# Altium PCB PCBA-2075-01.PcbDoc (part 1 of 2)
Units mil, origin at the board's own origin, x right, y up, seen from the top; angles counter-clockwise.
Board outline 4700 x 3550 mil, 4 copper layers (L1, L2, L3, L4), stack 65.3 mil thick; 112 components, 140 nets, 733 pads, 400 vias.
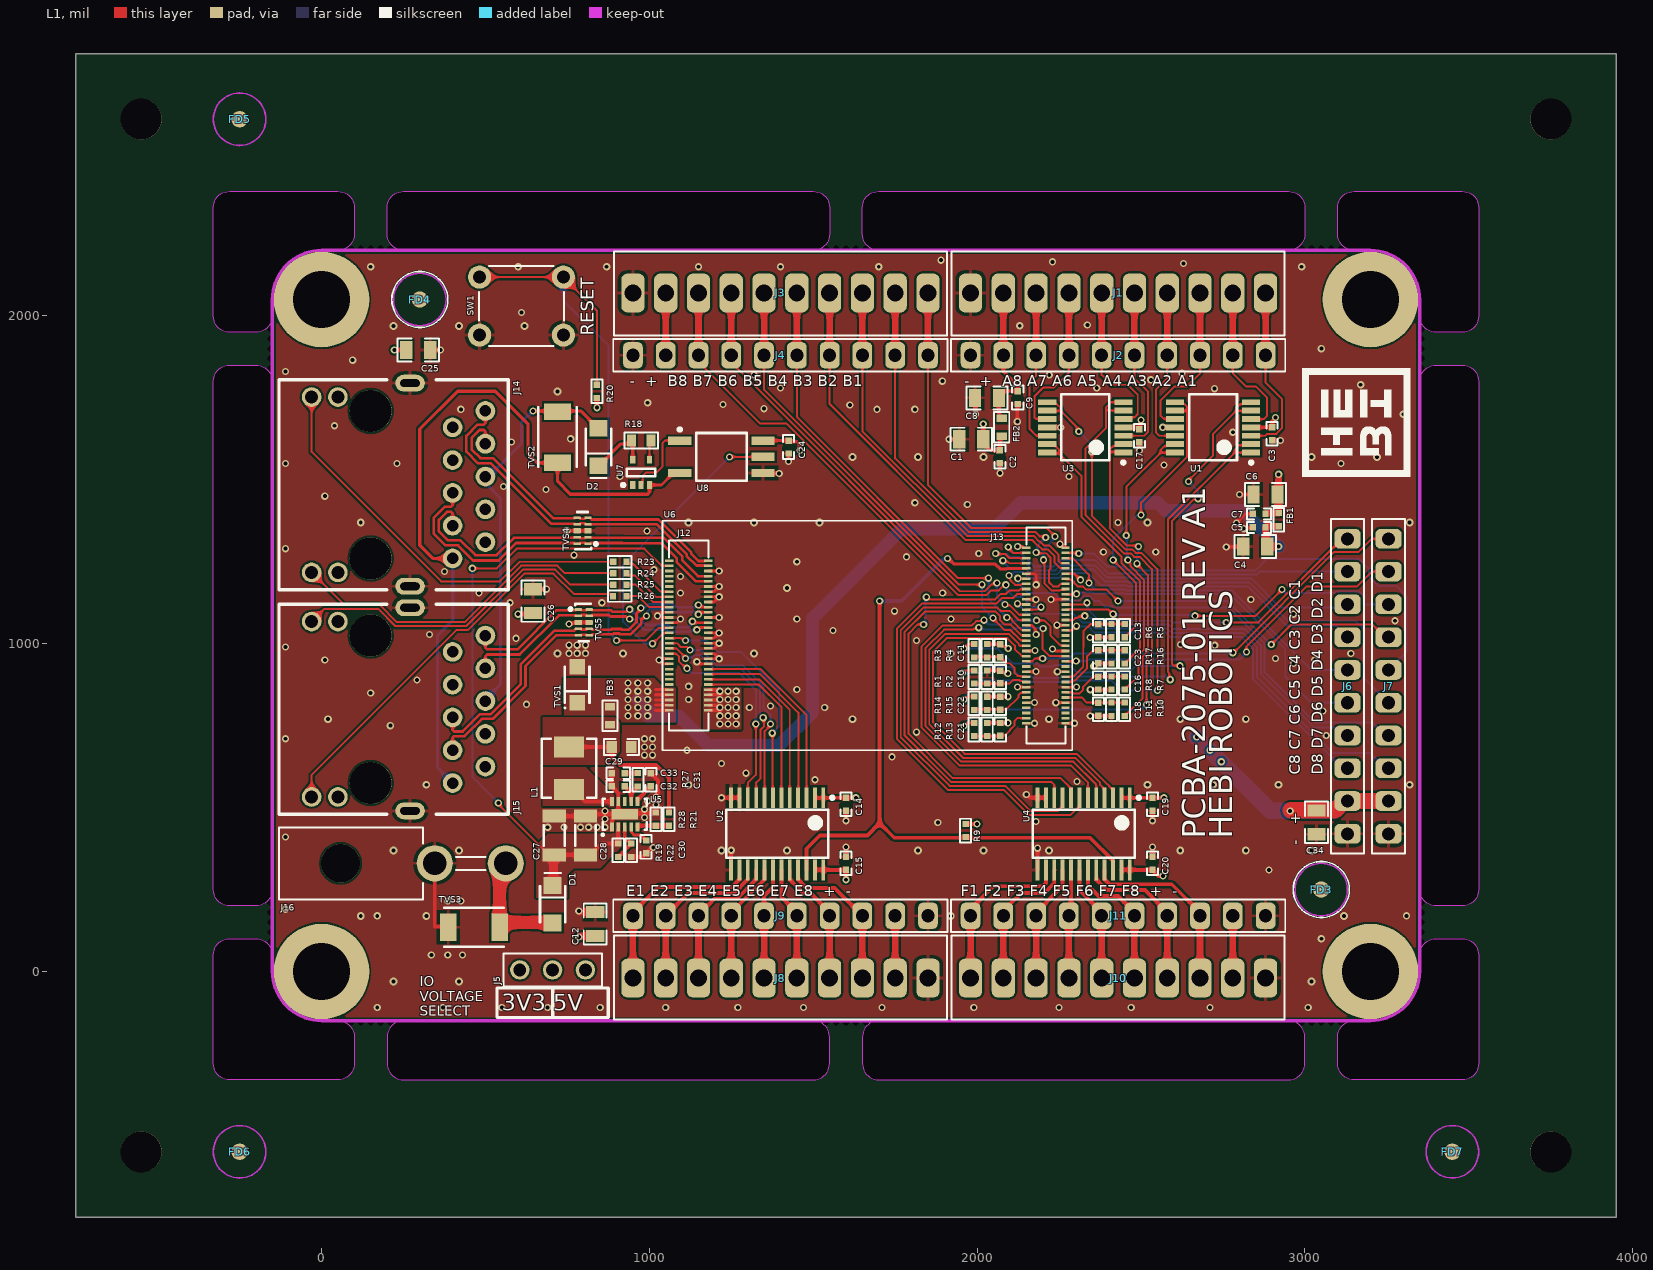
[diagram p0: L1 view]
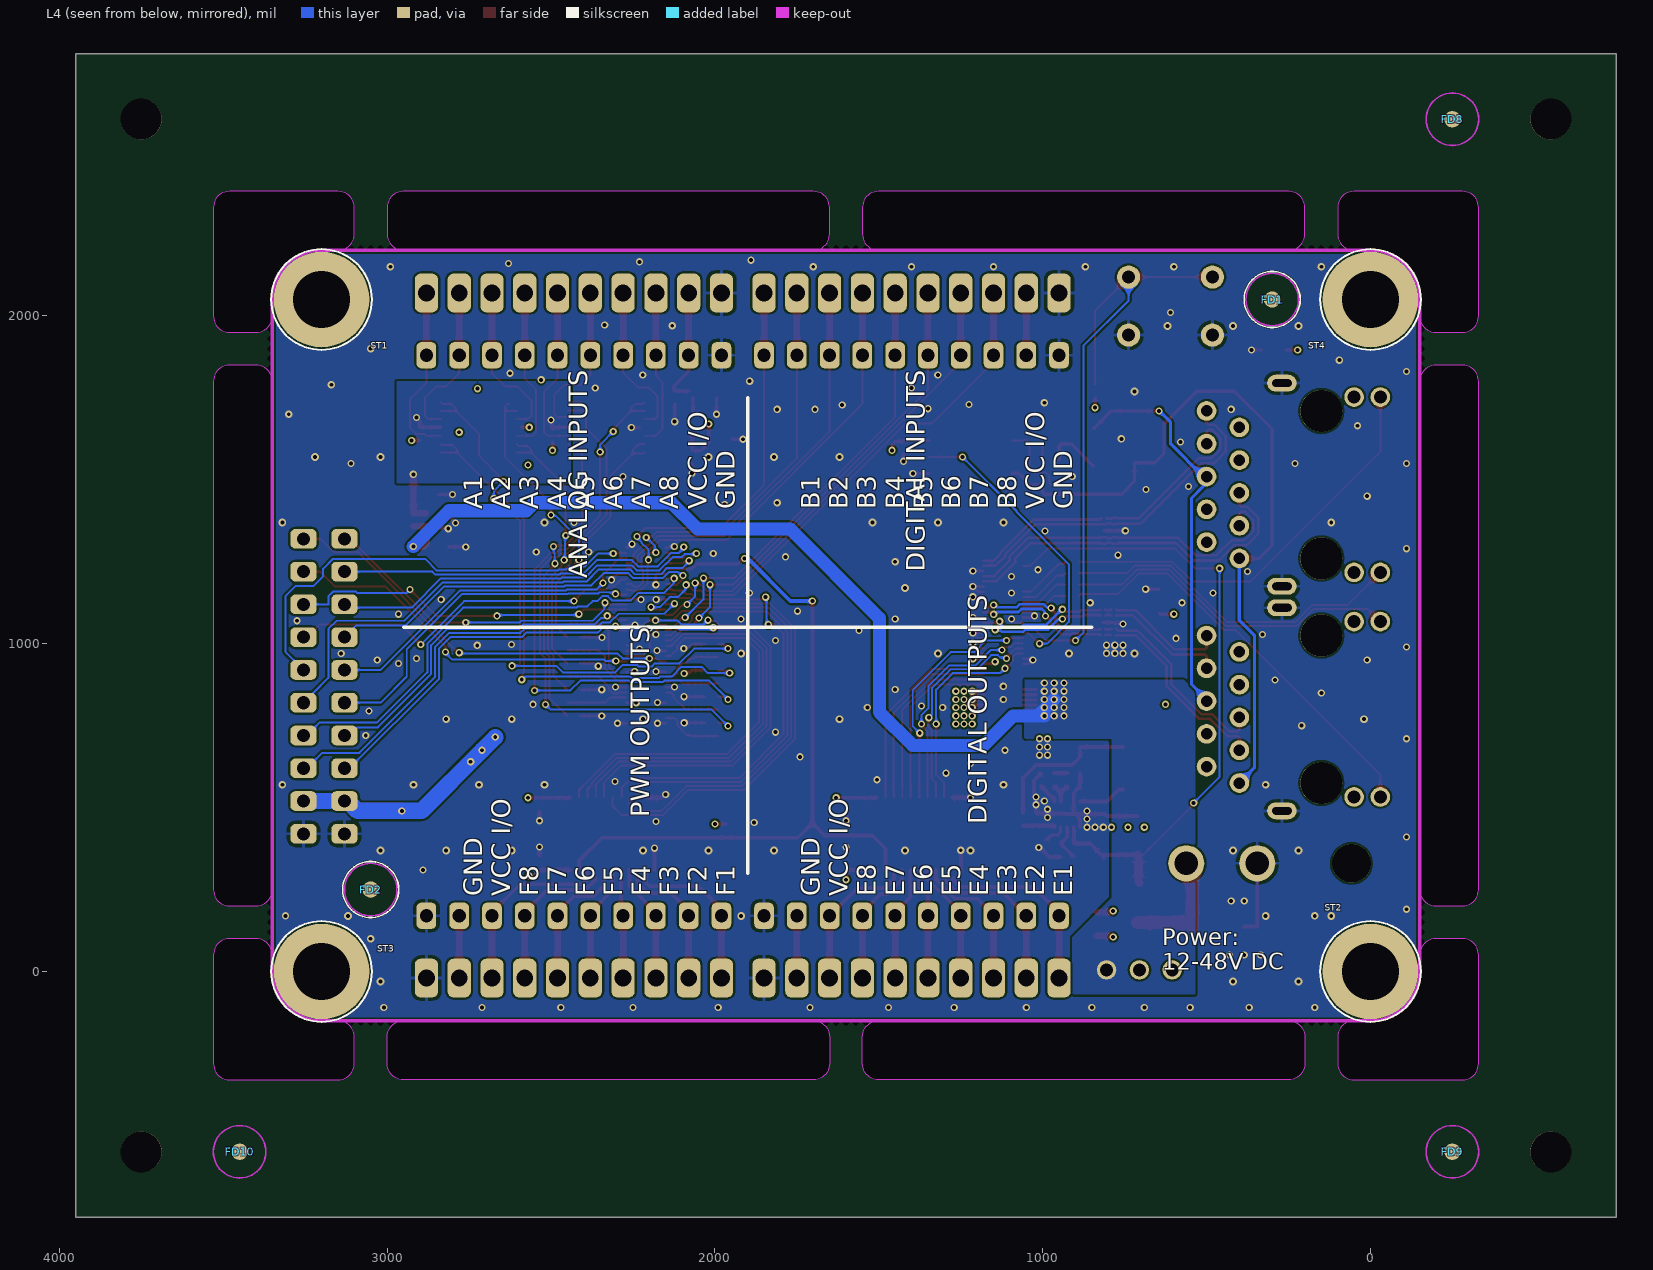
[diagram p1: L4 view, seen from below]
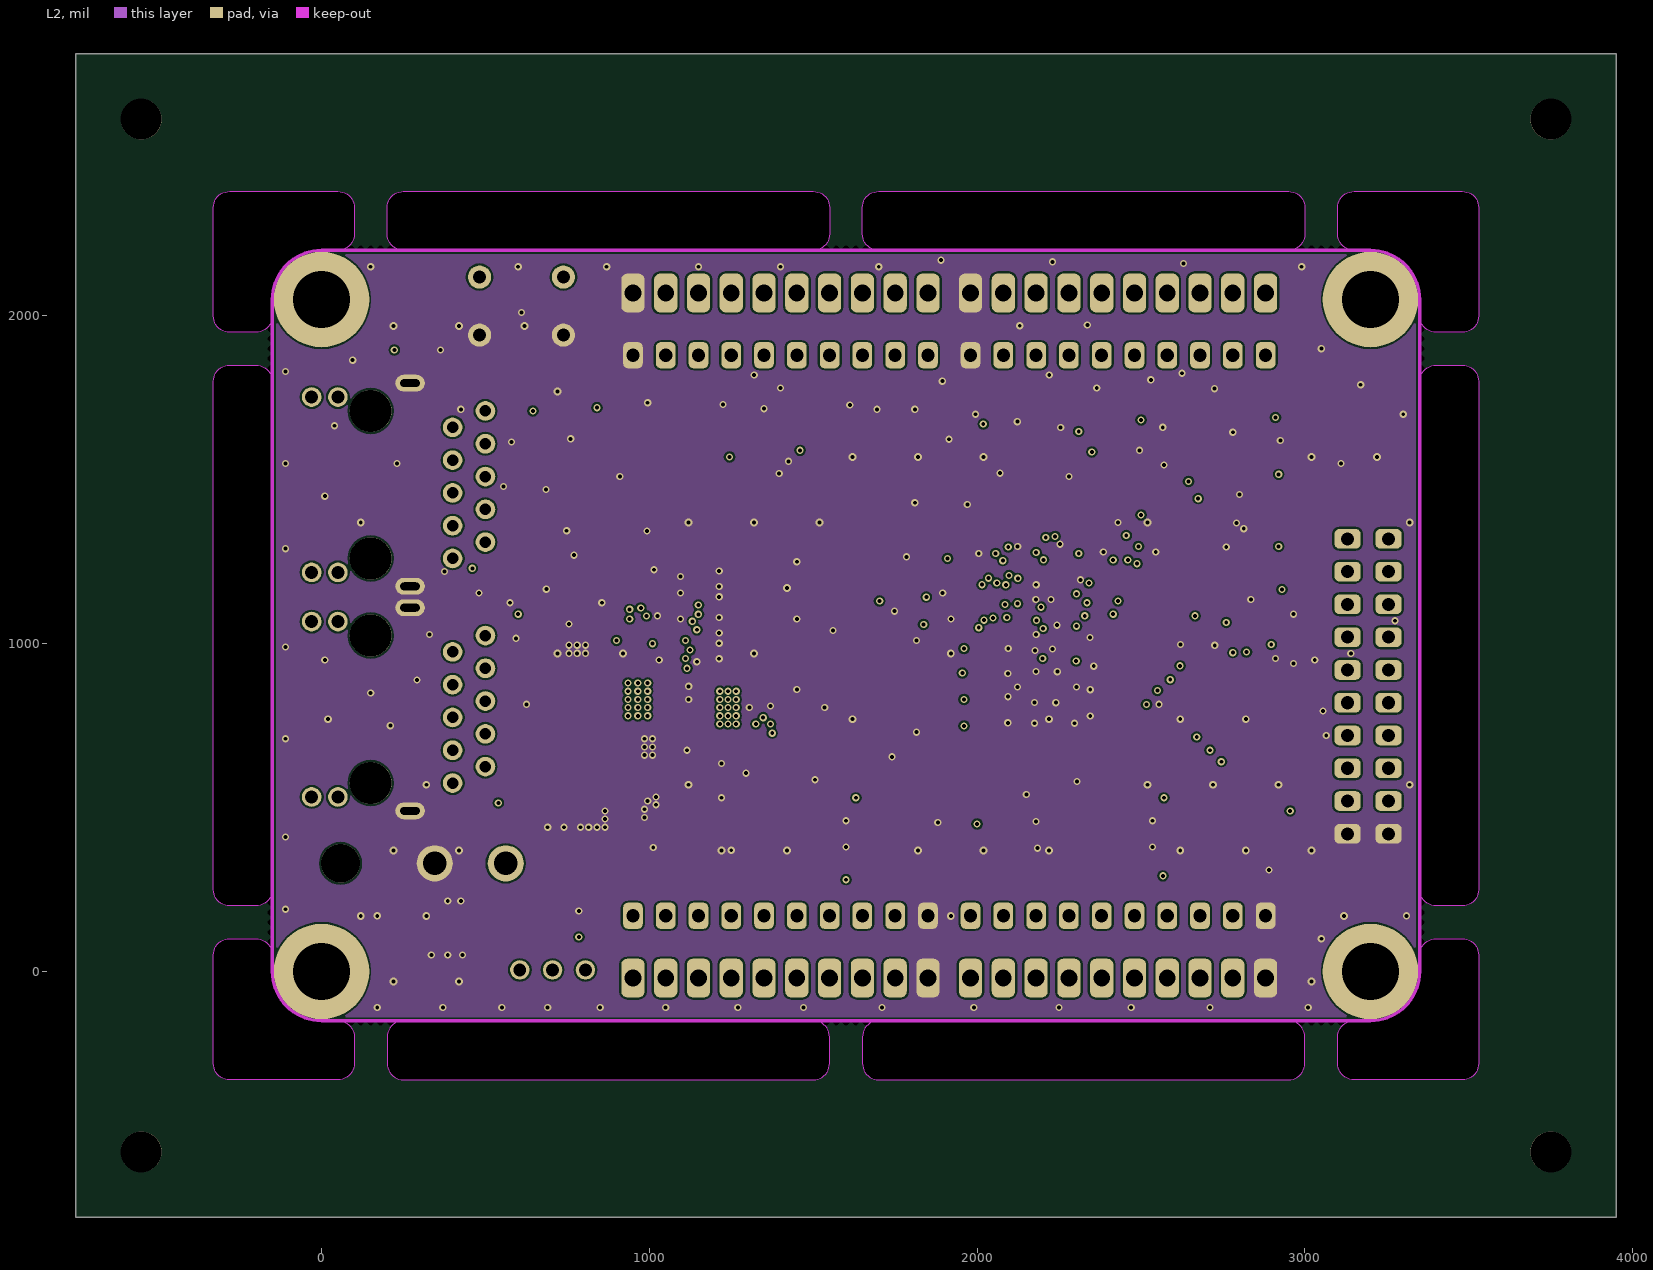
[diagram p2: L2]
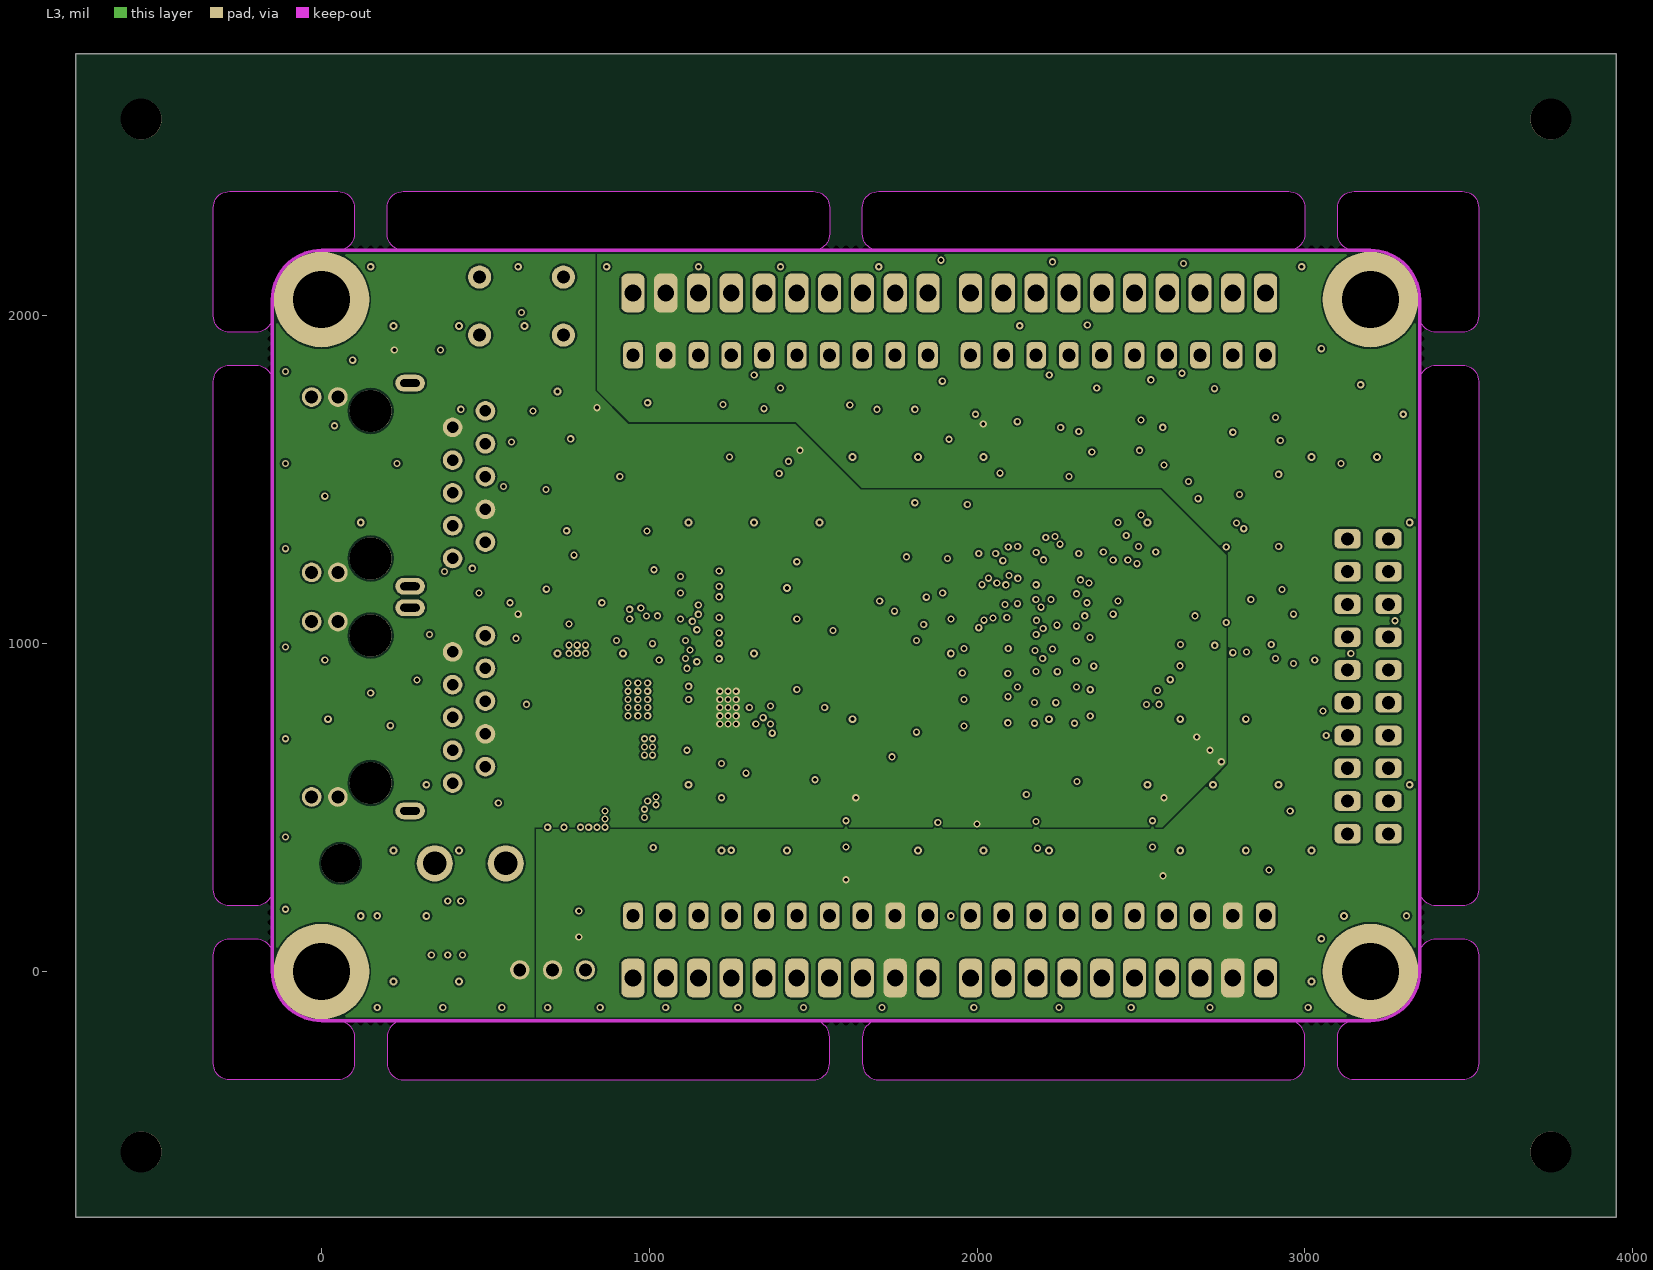
[diagram p3: L3]
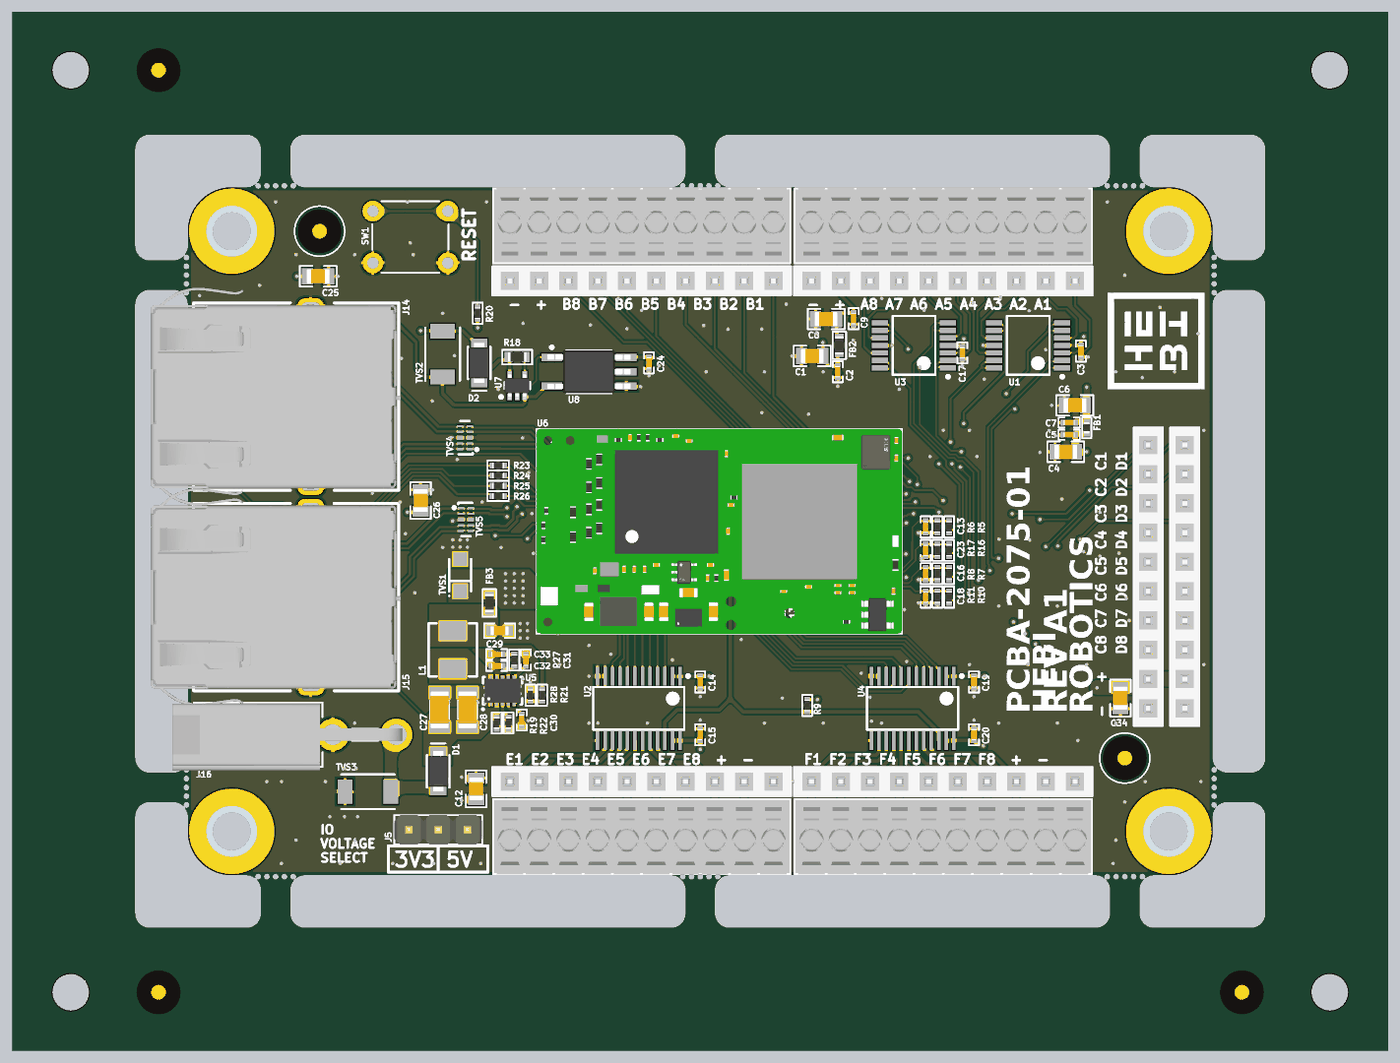
[diagram p5: 3D render of the assembled board from above, using the file's embedded part models]

## Layer stack, top to bottom
Top Solder: solder mask 0.4, Solder Resist, Dk 3.5
L1: signal copper 1.7
Dielectric 1: core 7.9, FR-4, Dk 4.2
L2: signal copper 1.4
Dielectric 4: prepreg 43.3, Dk 4.2
L3: signal copper 1.4
Dielectric 2: core 7.9, Dk 4.2
L4: signal copper 1.7
Bottom Solder: solder mask 0.4, Solder Resist, Dk 3.5

## Board outline
-750,-750 3950,-750 3950,2800 -750,2800
cut-out: 3100,-280 3100,-200 cw(c3150,-200) 3150,-150 3200,-150 ccw(c3200,0) 3350,0 3350,50 cw(c3400,50) 3400,100 3480,100 cw(c3480,50) 3530,50 3530,-280 cw(c3480,-280) 3480,-330 3150,-330 cw(c3150,-280)
cut-out: -280,100 -200,100 cw(c-200,50) -150,50 -150,0 ccw(c0,0) 0,-150 50,-150 cw(c50,-200) 100,-200 100,-280 cw(c50,-280) 50,-330 -280,-330 cw(c-280,-280) -330,-280 -330,50 cw(c-280,50)
cut-out: 100,2330 100,2250 cw(c50,2250) 50,2200 0,2200 ccw(c0,2050) -150,2050 -150,2000 cw(c-200,2000) -200,1950 -280,1950 cw(c-280,2000) -330,2000 -330,2330 cw(c-280,2330) -280,2380 50,2380 cw(c50,2330)
cut-out: 3480,1950 3400,1950 cw(c3400,2000) 3350,2000 3350,2050 ccw(c3200,2050) 3200,2200 3150,2200 cw(c3150,2250) 3100,2250 3100,2330 cw(c3150,2330) 3150,2380 3480,2380 cw(c3480,2330) 3530,2330 3530,2000 cw(c3480,2000)
cut-out: -280,200 cw(c-280,250) -330,250 -330,1800 cw(c-280,1800) -280,1850 -200,1850 cw(c-200,1800) -150,1800 -150,250 cw(c-200,250) -200,200
cut-out: 200,2250 200,2330 cw(c250,2330) 250,2380 1500,2380 cw(c1500,2330) 1550,2330 1550,2250 cw(c1500,2250) 1500,2200 250,2200 cw(c250,2250)
cut-out: 1700,2200 cw(c1700,2250) 1650,2250 1650,2330 cw(c1700,2330) 1700,2380 2950,2380 cw(c2950,2330) 3000,2330 3000,2250 cw(c2950,2250) 2950,2200
cut-out: 3350,250 3350,1800 cw(c3400,1800) 3400,1850 3480,1850 cw(c3480,1800) 3530,1800 3530,250 cw(c3480,250) 3480,200 3400,200 cw(c3400,250)
cut-out: 1650,-280 ccw(c1700,-280) 1700,-330 2950,-330 ccw(c2950,-280) 3000,-280 3000,-200 ccw(c2950,-200) 2950,-150 1700,-150 ccw(c1700,-200) 1650,-200
cut-out: 200,-280 ccw(c250,-280) 250,-330 1500,-330 ccw(c1500,-280) 1550,-280 1550,-200 ccw(c1500,-200) 1500,-150 250,-150 ccw(c250,-200) 200,-200

## Design rules (kind name [scope] priority, off if disabled: settings)
Clearance [All] p1: gap=6 ignorepadtopadclearanceinfootprint=FALSE
ComponentClearance NO_BOM [IsNoBOMComponent] p1: gap=0 collisioncheckmode=3 verticalgap=0 showdistances=FALSE donotcheckwithout3dbody=TRUE
ComponentClearance ComponentClearance_2 [HasFootprint('ARJM11C7-114-BA-EW2-Footprint-1') vs HasFootprint('39-30-1020')] p2: gap=-10000 collisioncheckmode=3 verticalgap=100000 showdistances=FALSE
ComponentClearance ComponentClearance_1 [HasFootprint('ARJM11C7-114-BA-EW2-Footprint-1') vs HasFootprint('ARJM11C7-114-BA-EW2-Footprint-1')] p3: gap=-10000 collisioncheckmode=3 verticalgap=100000 showdistances=FALSE
ComponentClearance [All] p4: gap=10 collisioncheckmode=3 verticalgap=10 showdistances=FALSE
DiffPairsRouting [All] p1: maxlimit=10 minlimit=6 mostfreqgap=6 toplayer_minwidth=8 toplayer_maxwidth=15 toplayer_prefwidth=8 midlayer1_minwidth=8 midlayer1_maxwidth=15 midlayer1_prefwidth=8 midlayer2_minwidth=8 midlayer2_maxwidth=15 midlayer2_prefwidth=8 bottomlayer_minwidth=8 bottomlayer_maxwidth=15 bottomlayer_prefwidth=8 maxuncoupledlength=500
Height [All] p1: minheight=0 maxheight=2000 prefheight=500
HoleSize [All] p1: absolutevalues=TRUE maxlimit=1000 minlimit=1 maxpercent=80.000 minpercent=20.000
HoleToHoleClearance HoleToHoleClearance_1 [HasFootprint('PJ-037A') vs HasFootprint('PJ-037A')] p1: gap=0 allowstackedmicrovias=TRUE
HoleToHoleClearance [All] p2: gap=10 allowstackedmicrovias=TRUE
MinimumSolderMaskSliver [All] p1 off: minsoldermaskwidth=10
PolygonConnect PolygonConnect_1 [All vs IsNamedPolygon('NO_THERMAL')] p1: connectstyle=Direct reliefconductorwidth=10 reliefentries=4 polygonreliefangle="90 Angle" airgapwidth=10
PolygonConnect [All] p2: thpad.connectstyle=Relief thpad.reliefconductorwidth=10 thpad.reliefentries=4 thpad.polygonreliefangle="90 Angle" thpad.airgapwidth=10 smdpad.connectstyle=Relief smdpad.reliefconductorwidth=10 smdpad.reliefentries=4 smdpad.polygonreliefangle="90 Angle" smdpad.airgapwidth=10 via.connectstyle=Direct via.reliefconductorwidth=10 via.reliefentries=4 via.polygonreliefangle="90 Angle" via.airgapwidth=10
RoutingVias [All] p1: holewidth=12 width=22 viastyle="Through Hole" minholewidth=12 minwidth=22 maxholewidth=40 maxwidth=100
SilkToSilkClearance [All] p1 off: silktosilkclearance=10
SilkToSolderMaskClearance [IsPad] p1 off: minsilkscreentomaskgap=10 clearancetoexposedcopper=TRUE
SolderMaskExpansion "Via Tenting" [IsVia] p1: expansion=2 istentingtop=TRUE
SolderMaskExpansion SolderMaskExpansion_1 [All] p2: expansion=4 istentingtop=FALSE
Width [All] p1: maxlimit=200 minlimit=6 preferedwidth=6
22 further rules are at their usual default settings.

## Classes and differential pairs
component class PCBA-2075-01: C24 C25 C26 C27 C28 C29 C30 C31 C32 C33 D1 D2 FB3 FD1 FD2 FD3 FD4 FD5 FD6 FD7 FD8 FD9 FD10 J12 J13 J14 J15 J16 L1 R18 R19 R20 R21 R22 R23 R24 R25 R26 R27 R28 ST1 ST2 ST3 ST4 SW1 TVS1 TVS2 TVS3 TVS4 TVS5 U5 U6 U7 U8
component class io_connectors: C1 C2 C3 C4 C5 C6 C7 C8 C9 C10 C11 C12 C13 C14 C15 C16 C17 C18 C19 C20 C21 C22 C23 C34 FB1 FB2 J1 J2 J3 J4 J5 J6 J7 J8 J9 J10 J11 R1 R2 R3 R4 R5 R6 R7 R8 R9 R10 R11 R12 R13 R14 R15 R16 R17 U1 U2 U3 U4
differential pair TX2: +TX2_P -TX2_N
differential pair TX1: +TX1_P -TX1_N
differential pair RX2: +RX2_P -RX2_N
differential pair RX1: +RX1_P -RX1_N

## Components (designator, comment, footprint, x,y, rotation, side; value= is the part's Value field where it differs from the comment)
C1 "C-10uf-X5R-25V-10%-0805" C0805 1982.28,1623.79 r0 top
C2 "C-0.1uf-X7R-25V-10%-0402" C0402 2069.69,1570 r270 top
C3 "C-0.1uf-X7R-25V-10%-0402" C0402 2900,1640 r270 top
C4 "C-10uf-X5R-25V-10%-0805" C0805 2848.58,1296.61 r0 top
C5 "C-0.1uf-X7R-25V-10%-0402" C0402 2860,1355 r180 top
C6 "C-10uf-X5R-25V-10%-0805" C0805 2879.69,1455 r0 top
C7 "C-0.1uf-X7R-25V-10%-0402" C0402 2860,1396.17 r180 top
C8 "C-10uf-X5R-25V-10%-0805" C0805 2030,1750 r0 top
C9 "C-0.1uf-X7R-25V-10%-0402" C0402 2124,1751 r90 top
C10 "C-10000pf-X7R-50V-10%-0402" C0402 2070.63,898.39 r270 top
C11 "C-10000pf-X7R-50V-10%-0402" C0402 2070.63,978.39 r270 top
C12 "C-10uf-X5R-25V-10%-0805" C0805 835,145 r270 top
C13 "C-10000pf-X7R-50V-10%-0402" C0402 2370,1040 r90 top
C14 "C-0.1uf-X7R-25V-10%-0402" C0402 1600,510 r90 top
C15 "C-0.1uf-X7R-25V-10%-0402" C0402 1600,330 r270 top
C16 "C-10000pf-X7R-50V-10%-0402" C0402 2370,880 r90 top
C17 "C-0.1uf-X7R-25V-10%-0402" C0402 2495,1634.41 r270 top
C18 "C-10000pf-X7R-50V-10%-0402" C0402 2370,800 r90 top
C19 "C-0.1uf-X7R-25V-10%-0402" C0402 2535,510 r90 top
C20 "C-0.1uf-X7R-25V-10%-0402" C0402 2535,330 r270 top
C21 "C-10000pf-X7R-50V-10%-0402" C0402 2070.63,738.39 r270 top
C22 "C-10000pf-X7R-50V-10%-0402" C0402 2070.63,818.39 r270 top
C23 "C-10000pf-X7R-50V-10%-0402" C0402 2370,960 r90 top
C24 "C-0.1uf-X7R-25V-10%-0402" C0402 1425,1600 r270 top
C25 "C-10uf-X5R-25V-10%-0805" C0805 295,1896 r180 top
C26 "C-10uf-X5R-25V-10%-0805" C0805 645,1130 r270 top
C27 "C-3.3uf-X7S-100V-10%-1206" C1206 710,415 r270 top
C28 "C-3.3uf-X7S-100V-10%-1206" C1206 805,415 r270 top
C29 "C-10uf-X5R-16V-10%-0603" C0603 915,685 r180 top
C30 "C-1uf-X5R-25V-10%-0402" C0402 990,380 r270 top
C31 "C-1uf-X5R-25V-10%-0402" C0402 1005,585 r270 top
C32 "C-47pf-C0G-NP0-50V-5%-0402" C0402 905,565 r0 top
C33 "C-10000pf-X7R-50V-10%-0402" C0402 905,605 r0 top
C34 "C-10uf-X5R-25V-10%-0805" C0805 3035,455 r90 top
D1 "STPS2H100ZF" SOD123F_ST 705,205 r270 top
D2 "STPS2H100ZF" SOD123F_ST 845,1600 r90 top
FB1 "MMZ1005A222ET000" FB0402 2920,1378.35 r90 top
FB2 "MPZ1608S331ATD25" FB0603 2075,1660.18 r90 top
FB3 "MI0603L301R-10" FB0603 880,780 r90 top
FD1 "FIDUCIAL" "New footprint 1" 300,2050 r180 bottom
FD2 "FIDUCIAL" "New footprint 1" 3050,250 r180 bottom
FD3 "FIDUCIAL" "New footprint 1" 3050,250 r0 top
FD4 "FIDUCIAL" "New footprint 1" 300,2050 r0 top
FD5 "Fiducial No Overlay" "New footprint 1" -250,2600 r0 top
FD6 "Fiducial No Overlay" "New footprint 1" -250,-550 r0 top
FD7 "Fiducial No Overlay" "New footprint 1" 3450,-550 r0 top
FD8 "Fiducial No Overlay" "New footprint 1" -250,2600 r180 bottom
FD9 "Fiducial No Overlay" "New footprint 1" -250,-550 r180 bottom
FD10 "Fiducial No Overlay" "New footprint 1" 3450,-550 r180 bottom
J1 "OSTVN10A150" OSTVN10A150 2430,2070 r180 top locked
J2 "PPTC101LFBN-RC" PPTC101LFBN-RC 2430,1880 r180 top locked
J3 "OSTVN10A150" OSTVN10A150 1400,2070 r180 top locked
J4 "PPTC101LFBN-RC" PPTC101LFBN-RC 1400,1880 r180 top locked
J5 "M20-9990345" M20-9990345 705,5 r180 top locked
J6 "PPTC101LFBN-RC" PPTC101LFBN-RC 3130,870 r270 top
J7 "PPTC101LFBN-RC" PPTC101LFBN-RC 3255,870 r270 top
J8 "OSTVN10A150" OSTVN10A150 1400,-20 r0 top locked
J9 "PPTC101LFBN-RC" PPTC101LFBN-RC 1400,170 r0 top locked
J10 "OSTVN10A150" OSTVN10A150 2430,-20 r0 top locked
J11 "PPTC101LFBN-RC" PPTC101LFBN-RC 2430,170 r0 top locked
J12 "DF40HC(3.0)-60DS-0.4V(51)" DF40HC(3.0)-60DS-0.4V(51) 1120,1025 r90 top locked
J13 "DF40HC(3.0)-70DS-0.4V(51)" DF40HC(3.0)-70DS-0.4V(51) 2210,1025 r90 top locked
J14 "ARJM11C7-114-BA-EW2" ARJM11C7-114-BA-EW2-Footprint-1 150,1485 r270 top locked
J15 "ARJM11C7-114-BA-EW2" ARJM11C7-114-BA-EW2-Footprint-1 150,800 r270 top locked
J16 "39-30-1020" 39-30-1020 310,330 r270 top locked
L1 "ECS-MPI4040R4-220-R" MPI4040R4 755,620 r0 top
R1 "R-3.3k-0.1%-0.063w-0402" R0402 1990.63,898.39 r270 top
R2 "R-4.7k-0.1%-0.063w-0402" R0402 2030.63,898.39 r270 top
R3 "R-3.3k-0.1%-0.063w-0402" R0402 1990.63,978.39 r270 top
R4 "R-4.7k-0.1%-0.063w-0402" R0402 2030.63,978.39 r270 top
R5 "R-3.3k-0.1%-0.063w-0402" R0402 2450,1040 r90 top
R6 "R-4.7k-0.1%-0.063w-0402" R0402 2410,1040 r90 top
R7 "R-3.3k-0.1%-0.063w-0402" R0402 2450,880 r90 top
R8 "R-4.7k-0.1%-0.063w-0402" R0402 2410,880 r90 top